# Allegro board parallella_layout.brd (continued)
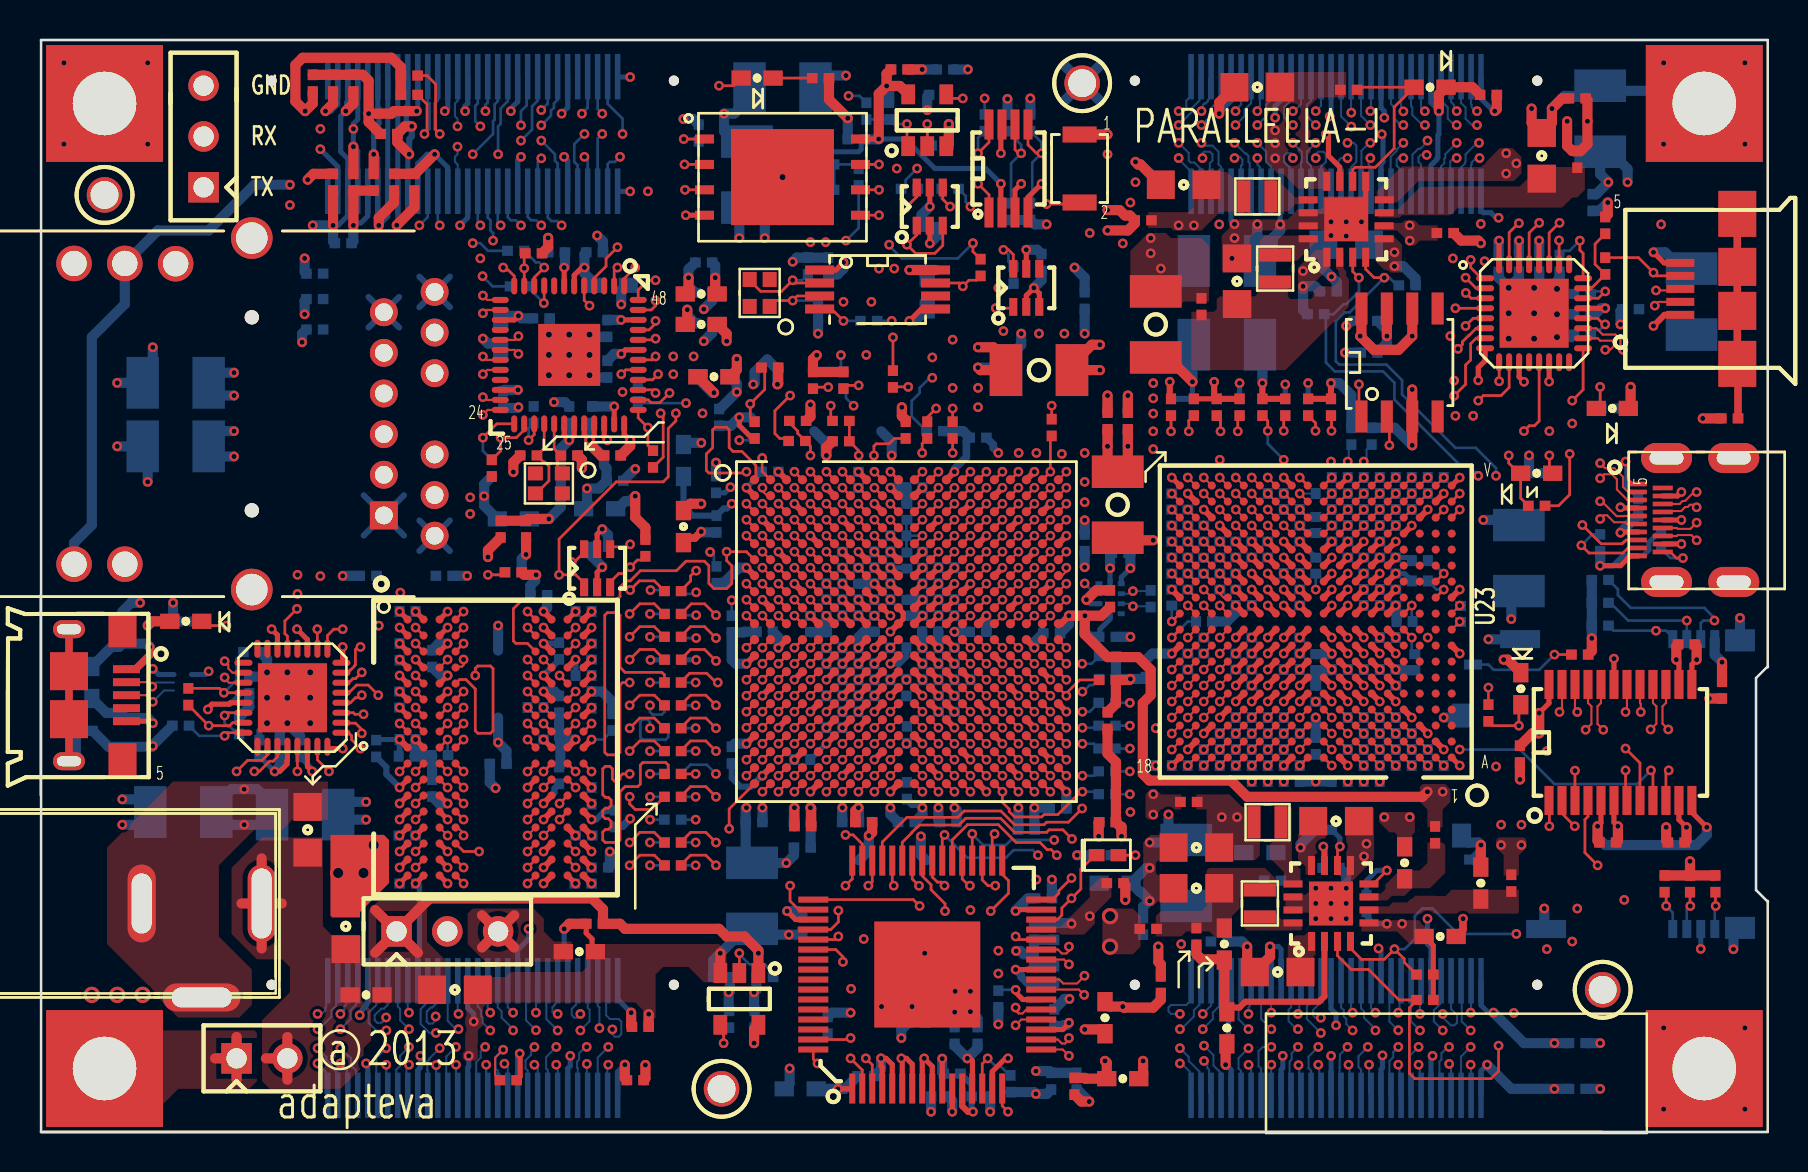
[diagram p0: board, top side]
## Routing (per net, layer and track width the routed paths; a pad name or vN(x,y) marks a point on that pad's centre or on a via; arc(x,y) is an arc through that point) (continued)
QSPI_CLK: length 27.3
  TOP w0.133: 41.04,47.12 v1(41.96,47.12) ; R47.1 35.52,35.74 v1(35.52,36.41) 36.25,37.13 36.25,38.06 R46.1 ; U2.A5 v1(38.53,33.02)
  L3_SIG w0.108: v1(35.52,36.41) 36.25,35.69 36.76,35.69 38.03,34.42 38.03,33.78 38.53,33.27 v1(38.53,33.02)
  L8_SIG w0.108: v1(41.96,47.12) 40.06,47.12 38.09,45.15 38.09,39.94 37.65,39.5 37.65,37.4 38.09,36.96 38.09,35.13 38.93,34.29 38.93,33.42 v1(38.53,33.02)
QSPI_CS_L: length 29.9
  TOP w0.133: U7.1 v1(32.2,49.66) ; U2.A7 v1(40.13,33.02)
  L3_SIG w0.108: v1(32.2,49.66) 32.69,49.66 32.95,49.4 32.95,45.34 33.17,45.11 33.9,45.11 34.01,45.22 34.01,47.14 34.12,47.24 34.55,47.24 34.66,47.14 34.66,45.22 34.77,45.11 38.69,45.11 v1(39.3,44.5)
  L8_SIG w0.108: v1(40.13,33.02) 40.13,34.75 40.19,34.8 40.19,36.32 39.93,36.58 39.93,37.9 39.3,38.53 39.3,39.75 39.31,39.76 39.31,40.09 39.3,40.11 v1(39.3,44.5)
  BOTTOM w0.133: R28.2 32.83,49.66 v1(32.2,49.66)
QSPI_IO_0: length 32.6
  TOP w0.133: R48.1 42.74,34.68 42.47,34.42 41.82,34.42 41.71,34.3 v1(41.71,33.83) ; U7.5 v1(41.96,45.85) ; U2.B8 v1(40.93,32.22)
  L8_SIG w0.108: v1(41.71,33.83) 41.71,34.16 41.46,34.42 41.46,37.72 40.82,38.35 40.82,39.87 41.08,40.13 41.08,43.56 41.2,43.68 41.2,45.09 41.33,45.21 48.06,45.21 48.19,45.34 48.19,46.74 48.06,46.86 43.36,46.86 42.34,45.85 v1(41.96,45.85)
  L10_SIG w0.108: v1(40.93,32.22) 41.33,32.62 41.33,33.45 v1(41.71,33.83)
QSPI_IO_1: length 38.1
  TOP w0.133: U7.2 v1(32.23,48.39) ; U2.D6 v1(39.33,30.62) ; R51.2 38.74,37.25 v1(39.42,37.25)
  L3_SIG w0.108: v1(39.33,30.62) 38.93,31.02 38.93,32.38 39.17,32.62 39.61,32.62 39.74,32.74 39.74,34.23 39.04,34.92 39.04,36.87 v1(39.42,37.25)
  L8_SIG w0.108: v1(31.68,38.79) 31.68,39.29 31.42,39.55 31.42,48.64 31.68,48.9 36.25,48.9 36.38,48.77 36.38,48.51 36.25,48.39 v1(32.23,48.39)
  L10_SIG w0.108: v1(39.42,37.25) 38.17,37.25 37.26,38.15 32.31,38.15 v1(31.68,38.79)
QSPI_IO_2: length 35.2
  TOP w0.133: v1(40.95,37.34) 40.35,37.34 R50.2 ; 33.24,47.12 v1(32.26,47.12) ; U2.B7 v1(40.13,32.22)
  L3_SIG w0.108: v1(40.13,32.22) 40.33,32.41 40.33,32.47 40.54,32.68 40.54,34.45 40.19,34.8 40.19,36.58 v1(40.95,37.34)
  L8_SIG w0.108: v1(32.26,47.12) 32.39,47.24 35.49,47.24 35.61,47.12 35.61,46.74 35.49,46.61 32.18,46.61 31.9,46.33 31.9,45.11 32.18,44.83 33.2,44.83 33.33,44.7 33.33,44.32 33.2,44.2 32.16,44.2 31.9,43.94 31.9,39.83 32.37,39.36 32.37,39.1 v1(32.69,38.79)
  L10_SIG w0.108: v1(32.69,38.79) 33.01,39.1 35.11,39.1 35.74,38.47 37.54,38.47 38.29,37.72 40.57,37.72 v1(40.95,37.34)
QSPI_IO_3: length 33.6
  TOP w0.133: U7.7 v1(41.96,48.39) ; U2.A6 v1(39.33,33.02)
  L3_SIG w0.108: v1(39.33,33.02) 39.33,33.16 38.94,33.56 38.94,34.4 36.38,36.96 36.38,38.62 36.12,38.88 35.72,38.88 35.61,38.98 35.61,39.42 35.72,39.52 37.65,39.52 37.77,39.65 37.77,40.51 37.65,40.64 34.09,40.64 33.96,40.77 33.96,41.91 34.09,42.04 38.03,42.04 38.41,42.42 38.41,42.91 39.69,44.2 39.69,44.96 41.52,46.79 41.52,47.95 v1(41.96,48.39)
  BOTTOM w0.133: R76.2 R52.2 40.73,48.39 R97.1 41.16,48.39 v1(41.96,48.39)
REG_EN1: length 115.7
  TOP w0.133: v1(72.95,4.32) 72.95,3.05 72.57,2.67 68.76,2.67 68.49,2.94 68.49,6.21 68.85,6.57 R276.1 67.97,6.6 66.45,8.13 65.59,8.13 64.89,8.82 U29.3
  L5_SIG w0.108: v1(72.95,4.32) 73.21,4.57 73.21,6.35 73.08,6.48 73.08,8.89 72.57,9.4 72.57,15.75 73.15,16.33 73.15,17.96 73.33,18.14 73.33,19.68 72.95,20.07 72.95,22.61 72.7,22.86 72.7,24 72.95,24.26 72.95,29.21 74.98,31.24 74.98,34.16 75.36,34.54 75.75,34.54 76.13,34.92 76.76,34.92 77.14,35.31 77.14,37.21 76.51,37.85 76.51,42.87 76.07,43.31 74.35,43.31 73.46,44.2 73.46,45.85 73.08,46.23 63.68,46.23 63.17,46.74 57.58,46.74 55.93,48.39 55.93,48.64 55.17,49.4 50.98,49.4 50.35,50.04 46.28,50.04 46.15,49.91 45.27,49.91 44.88,50.29 44.88,51.31 44.63,51.56 42.98,51.56 42.85,51.44 41.2,51.44 40.95,51.18 39.93,51.18 39.28,50.53 33.09,50.53 32.56,51.06 31.93,51.06 31.8,50.93 28.76,50.93 28.12,50.29 v1(28.12,49.91)
  BOTTOM w0.133: v1(28.12,49.91) 27.89,49.68 J13.5
REG_EN2: length 98
  TOP w0.133: v1(65.01,14.27) 64.89,14.16 U29.10
  L5_SIG w0.108: v1(28.12,50.93) 28.5,51.31 32.18,51.31 32.31,51.44 34.47,51.44 35.36,52.32 41.07,52.32 41.58,51.82 42.73,51.82 42.85,51.94 44.76,51.94 46.28,50.42 50.73,50.42 50.85,50.29 54.92,50.29 56.31,48.9 56.31,48.51 57.71,47.12 63.3,47.12 63.81,46.61 73.59,46.61 74.48,45.72 74.48,44.32 75.11,43.69 76.25,43.69 77.52,42.42 77.52,35.05 77.02,34.54 76.38,34.54 76,34.16 76,31.11 74.35,29.46 74.35,25.4 73.97,25.02 73.97,22.73 73.33,22.1 73.33,20.19 73.71,19.81 73.71,18.01 73.43,17.73 73.43,15.72 v1(73.08,15.37)
  L10_SIG w0.108: v1(73.08,15.37) 71.68,15.37 70.03,13.72 67.11,13.72 66.73,13.34 65.95,13.34 v1(65.01,14.27)
  BOTTOM w0.133: J13.6 27.89,51.15 v1(28.12,50.93)
  BOTTOM w0.254: R277.1 65.01,14.71 v1(65.01,14.27)
REG_EN3: length 113.7
  TOP w0.133: R280.1 68.23,8.49 68.23,8.66 v1(67.74,9.14) 67.24,8.64 66.09,8.64 65.54,9.18 U29.4
  L5_SIG w0.108: v1(73.84,9.91) 73.84,11.94 75.94,14.04 75.94,18.12 76.49,18.67 76.49,21.35 75.24,22.61 75.24,24.38 76.13,25.27 76.13,30.23 77.52,31.62 77.52,33.78 79.05,35.31 79.05,37.59 79.94,38.48 79.94,42.42 77.14,45.21 77.14,47.24 70.79,53.59 28.76,53.59 26.6,51.44 26.6,49.78 27.23,49.15 v1(27.23,48.77)
  BOTTOM w0.133: v1(73.84,9.91) 70.92,9.91 69.65,11.18 69.14,11.18 68.76,10.79 68.76,9.65 68.25,9.14 v1(67.74,9.14) ; J13.7 27.39,48.61 v1(27.23,48.77)
REG_EN4: length 103.8
  TOP w0.133: v1(67.36,13.08) 66.69,12.41 U29.8
  L5_SIG w0.108: v1(27.1,50.93) 27.87,51.69 30.91,51.69 31.04,51.56 32.06,51.56 32.31,51.82 34.34,51.82 35.76,53.23 40.8,53.23 41.07,52.96 43.23,52.96 43.74,52.45 44.76,52.45 46.41,50.8 50.85,50.8 50.98,50.67 55.17,50.67 56.06,51.56 60,51.56 60.38,51.18 60.38,48.39 61.27,47.5 63.55,47.5 64.06,46.99 74.22,46.99 75.49,45.72 75.49,44.32 75.75,44.07 77.16,44.07 79.57,41.66 79.57,38.62 78.67,37.72 78.67,35.43 77.14,33.91 77.14,31.75 75.49,30.1 75.49,25.27 74.86,24.64 74.86,22.23 75.6,21.48 75.6,19.7 75.87,19.43 75.87,18.8 75.49,18.41 75.36,18.41 74.73,17.78 74.73,16 v1(74.09,15.37)
  L10_SIG w0.108: v1(67.36,13.08) 70.16,13.08 71.94,14.86 73.59,14.86 v1(74.09,15.37)
  BOTTOM w0.133: v1(27.1,50.93) 27.39,51.22 J13.8
  BOTTOM w0.254: v1(67.36,13.08) 66.86,13.08 66.35,12.57 R283.1
RESET_N: length 25
  L3_SIG w0.108: v1(40.44,51.82) 39.17,51.82 38.15,52.83 33.71,52.83 32.44,51.56 30.79,51.56 30.28,52.07 22.41,52.07 21.77,51.44 21.77,50.55 v1(22.02,50.29)
  BOTTOM w0.133: J13.30 21.89,51.44 21.77,51.31 21.77,50.55 v1(22.02,50.29) ; v1(40.44,51.82) 40.99,51.82 R98.2
RXI_CCLK_N: length 26.4
  TOP w0.102: v1(48.94,27.42) U2.H17 ; U23.K1 v1(71.01,26.33)
  L8_SIG w0.095: v1(71.01,26.33) 69.51,26.33 69.01,25.83 57.33,25.83 56.82,26.34 56.57,26.34 55.16,27.75 53,27.75 52.78,27.97 52.78,28.43 52.57,28.64 51.5,28.64 51.5,28.63 49.59,28.63 49.34,28.38 49.34,28.01 49.16,27.83 48.71,27.83 48.57,27.69 48.57,27.49 48.64,27.42 v1(48.94,27.42)
RXI_CCLK_P: length 26.1
  TOP w0.102: v1(71.01,25.53) 70.61,25.13 U23.J1 ; v1(48.14,27.42) U2.H16
  L8_SIG w0.095: v1(71.01,25.53) 70.51,26.02 69.64,26.02 69.14,25.53 57.2,25.53 56.7,26.04 56.44,26.04 55.03,27.44 52.88,27.44 52.49,27.82 52.09,27.82 52.08,27.81 49.57,27.81 49.33,27.56 49.33,27.18 49.33,27.18 49.16,27.01 48.54,27.01 v1(48.14,27.42)
RXI_EA_DATA0_N: length 8.3
  TOP w0.102: U2.A20 v1(51.34,33.02) ; U23.T18 v1(56.61,31.13)
  L3_SIG w0.095: v1(56.61,31.13) 56.91,31.13 57.03,31.25 57.03,31.42 56.91,31.54 56.4,31.54 56.24,31.7 53.77,31.7 52.21,33.26 51.58,33.26 v1(51.34,33.02)
RXI_EA_DATA0_P: length 8.8
  TOP w0.102: U2.B19 v1(50.54,32.22) ; U23.U18 v1(56.61,31.93)
  L3_SIG w0.095: v1(56.61,31.93) 56.53,32 53.9,32 52.34,33.57 51.33,33.57 50.94,33.18 50.94,32.63 v1(50.54,32.22)
RXI_EA_DATA1_N: length 10.5
  TOP w0.102: U23.R17 v1(57.41,30.33) ; U2.B20 v1(51.34,32.22)
  L5_SIG w0.095: v1(57.41,30.33) 57.02,29.94 56.32,29.94 56.09,30.18 55.68,30.18 55.3,30.56 53.9,30.56 53.24,29.9 51.87,29.9 51.55,30.21 51.17,30.21 50.94,30.44 50.94,31.71 51.23,32 51.23,32.12 v1(51.34,32.22)
RXI_EA_DATA1_P: length 10.2
  TOP w0.102: U23.T17 v1(57.41,31.13) ; U2.C20 v1(51.34,31.42)
  L5_SIG w0.095: v1(57.41,31.13) 57.46,31.08 57.46,30.86 57.33,30.74 56.26,30.74 56.01,30.48 55.81,30.48 55.43,30.86 53.77,30.86 53.11,30.2 52,30.2 51.77,30.43 51.77,31.65 51.87,31.75 51.87,31.88 51.81,31.94 51.63,31.94 51.34,31.65 v1(51.34,31.42)
RXI_EA_DATA2_N: length 9
  TOP w0.102: U23.P16 v1(58.21,29.53) ; U2.D20 v1(51.34,30.62)
  L10_SIG w0.095: v1(51.34,30.62) 51.67,30.62 52.09,30.2 52.43,30.2 52.78,30.56 55.69,30.56 55.82,30.43 55.98,30.43 56.06,30.35 56.06,30.1 56.24,29.92 58.03,29.92 58.21,29.74 v1(58.21,29.53)
RXI_EA_DATA2_P: length 9.3
  TOP w0.102: U2.D19 v1(50.54,30.62) ; U23.R16 v1(58.21,30.33)
  L10_SIG w0.095: v1(58.21,30.33) 57.99,30.33 57.58,30.73 55.95,30.73 55.82,30.86 52.76,30.86 52.59,31.03 50.95,31.03 v1(50.54,30.62)
RXI_EA_DATA3_N: length 11.8
  TOP w0.102: U2.E19 v1(50.54,29.82) ; U23.N15 v1(59.01,28.73)
  L8_SIG w0.095: v1(50.54,29.82) 50.93,29.43 51.5,29.43 51.72,29.65 53.65,29.65 54.85,28.45 55.49,28.45 55.84,28.8 56.09,28.8 56.19,28.7 56.19,28.5 56.37,28.32 59.24,28.32 59.38,28.47 59.38,28.6 59.25,28.73 v1(59.01,28.73)
RXI_EA_DATA3_P: length 11.5
  TOP w0.102: U2.E18 v1(49.74,29.82) ; U23.P15 v1(59.01,29.53)
  L8_SIG w0.095: v1(49.74,29.82) 50.14,30.22 51.54,30.22 51.81,29.96 53.77,29.96 54.98,28.75 55.36,28.75 55.72,29.12 58.6,29.12 v1(59.01,29.53)
RXI_EA_DATA4_N: length 10
  TOP w0.102: U23.P18 v1(56.61,29.53) ; U2.D18 v1(49.74,30.62)
  L3_SIG w0.095: v1(49.74,30.62) 49.68,30.57 49.68,30.35 49.83,30.2 50.37,30.2 50.37,30.21 51.5,30.21 51.5,30.2 52.48,30.2 52.98,30.71 55.51,30.71 56.19,30.02 56.36,30.02 56.44,29.94 56.88,29.94 57,29.82 57,29.65 56.88,29.53 v1(56.61,29.53)
RXI_EA_DATA4_P: length 9.9
  TOP w0.102: U2.E17 v1(48.94,29.82) ; U23.R18 v1(56.61,30.33)
  L3_SIG w0.095: v1(56.61,30.33) 56.31,30.33 55.63,31.01 49.57,31.01 49.33,30.76 49.33,30.21 v1(48.94,29.82)
RXI_EA_DATA5_N: length 8.6
  TOP w0.102: U23.N17 v1(57.41,28.73) ; U2.F20 v1(51.34,29.02)
  L5_SIG w0.095: v1(51.34,29.02) 51.34,28.73 51.44,28.63 51.67,28.63 51.87,28.83 54.54,28.83 54.94,28.42 55.42,28.42 55.83,28.83 56.01,28.83 56.16,28.68 56.16,28.52 56.34,28.34 57.3,28.34 57.41,28.44 v1(57.41,28.73)
RXI_EA_DATA5_P: length 8.8
  TOP w0.102: U23.P17 v1(57.41,29.53) ; U2.F19 v1(50.54,29.02)
  L5_SIG w0.095: v1(50.54,29.02) 50.94,29.42 51.55,29.42 51.84,29.13 54.66,29.13 55.07,28.73 55.3,28.73 55.7,29.13 56.37,29.13 56.39,29.12 57,29.12 v1(57.41,29.53)
RXI_EA_DATA6_N: length 12.9
  TOP w0.102: U2.G18 v1(49.74,28.22) ; U23.M16 v1(58.21,27.93)
  L10_SIG w0.095: v1(58.21,27.93) 58.21,27.8 58.32,27.69 58.55,27.69 58.62,27.75 58.62,28.2 58.48,28.34 56.32,28.34 56.16,28.5 56.16,28.7 56.05,28.81 55.92,28.81 55.55,28.45 54.92,28.45 54.79,28.57 54.71,28.57 54.7,28.58 54.51,28.58 53.59,29.51 51.82,29.51 51.74,29.43 50.39,29.43 50.14,29.18 50.14,28.66 49.95,28.46 49.95,28.43 v1(49.74,28.22)
RXI_EA_DATA6_P: length 12.9
  TOP w0.102: U2.G17 v1(48.94,28.22) ; U23.N16 v1(58.21,28.73)
  L10_SIG w0.095: v1(58.21,28.73) 57.82,29.12 55.79,29.12 55.43,28.75 55.04,28.75 53.98,29.81 51.96,29.81 51.57,30.21 49.57,30.21 49.34,29.98 49.34,28.63 v1(48.94,28.22)
RXI_EA_DATA7_N: length 11.7
  TOP w0.102: v1(51.34,28.22) 51.34,28.04 51.11,27.82 U2.G20 ; v1(59.01,27.13) 59.01,26.92 59.2,26.73 U23.L15
  L3_SIG w0.095: v1(59.01,27.13) 59.01,27.43 58.92,27.52 56.38,27.52 56.19,27.33 56.19,27.1 56.13,27.04 55.81,27.04 55.62,27.24 55.62,27.37 55.68,27.43 55.81,27.43 55.93,27.56 55.93,27.69 55.81,27.81 55.55,27.81 55.43,27.69 55.17,27.69 55.11,27.75 53.13,27.75 52.76,28.12 52.76,28.45 52.5,28.7 52.12,28.7 51.64,28.22 v1(51.34,28.22)
RXI_EA_DATA7_P: length 11.9
  TOP w0.102: U23.M15 v1(59.01,27.93) ; U2.G19 v1(50.54,28.22)
  L3_SIG w0.095: v1(50.54,28.22) 50.93,27.82 52.62,27.82 53,27.44 54.98,27.44 55.69,26.74 59.28,26.74 59.42,26.88 59.42,27.52 v1(59.01,27.93)
RXI_EA_FRAME_N: length 13.5
  TOP w0.102: U2.G15 v1(47.34,28.22) ; U23.L17 v1(57.41,27.13)
  L5_SIG w0.095: v1(57.41,27.13) 57.02,26.74 55.55,26.74 55.17,27.12 55.17,27.25 54.98,27.44 54.28,27.44 53.87,27.03 47.17,27.03 46.94,27.26 46.94,27.83 v1(47.34,28.22)
RXI_EA_FRAME_P: length 13.1
  TOP w0.102: U23.M17 v1(57.41,27.93) ; U2.H15 v1(47.34,27.42)
  L5_SIG w0.095: v1(57.41,27.93) 57.46,27.88 57.46,27.69 57.31,27.54 56.43,27.54 56.19,27.29 56.19,27.18 56.05,27.04 55.68,27.04 55.48,27.25 55.48,27.38 55.11,27.75 54.16,27.75 53.74,27.33 52.86,27.33 52.76,27.43 52.76,27.57 52.5,27.82 47.37,27.82 47.26,27.72 47.26,27.49 v1(47.34,27.42)
RXI_EA_LCLK_N: length 10.4
  TOP w0.102: U2.F17 v1(48.94,29.02) ; U23.M18 v1(56.61,27.93)
  L3_SIG w0.095: v1(48.94,29.02) 48.92,29.02 48.8,28.89 48.8,28.74 48.92,28.61 51.5,28.61 51.72,28.83 51.72,28.85 51.73,28.86 51.73,29.02 52.12,29.41 53.95,29.41 55.19,28.18 56.36,28.18 v1(56.61,27.93)
RXI_EA_LCLK_P: length 10.5
  TOP w0.102: U2.F16 v1(48.14,29.02) ; U23.N18 v1(56.61,28.73)
  L3_SIG w0.095: v1(56.61,28.73) 56.36,28.48 55.32,28.48 54.08,29.72 52,29.72 51.71,29.43 48.54,29.43 v1(48.14,29.02)
RXI_NO_DATA0_N: length 23.5
  TOP w0.102: U23.A2 v1(70.21,18.33)
  L3_SIG w0.095: v1(71.55,3.37) 72.15,3.96 72.15,4.16 72.25,4.26 72.25,6.59 72.34,6.68 73.44,6.68 73.71,6.96 73.71,7.59 73.44,7.86 72.12,7.86 71.99,8 71.99,8.26 72.19,8.46 73.08,8.46 73.38,8.76 73.38,9.65 73.04,10 72.34,10 72.25,10.09 72.25,11.22 71.22,12.24 71.22,17.35 70.83,17.75 70.12,17.75 69.96,17.91 69.96,18.09 70.2,18.33 v1(70.21,18.33)
  BOTTOM w0.102: v1(71.55,3.37) 71.57,3.35 J8.3
RXI_NO_DATA0_P: length 23.8
  TOP w0.102: U23.A3 v1(69.41,18.33)
  L3_SIG w0.095: v1(71.55,4.25) 71.82,4.25 71.94,4.38 71.94,6.71 72.22,6.99 73.31,6.99 73.41,7.08 73.41,7.46 73.31,7.56 72,7.56 71.68,7.87 71.68,8.38 72.06,8.76 72.95,8.76 73.08,8.89 73.08,9.53 72.91,9.69 72.22,9.69 71.94,9.97 71.94,11.09 70.92,12.12 70.92,17.22 70.7,17.44 70,17.44 69.66,17.78 69.66,18.13 69.46,18.33 v1(69.41,18.33)
  BOTTOM w0.102: J8.5 71.07,3.77 v1(71.55,4.25)
RXI_NO_DATA1_N: length 24.2
  TOP w0.102: U23.B3 v1(69.41,19.13)
  L5_SIG w0.095: v1(71.55,5.97) 71.55,5.71 71.33,5.49 71.07,5.49 70.97,5.59 70.97,6.48 71.05,6.55 72.32,6.55 72.62,6.86 72.62,8.44 72.32,8.75 71.38,8.75 71.29,8.84 71.29,9.19 70.53,9.96 70.53,11 70.62,11.09 71.01,11.09 71.29,11.37 71.29,12 71.01,12.27 70.79,12.27 70.67,12.4 70.67,12.7 70.77,12.81 71.02,12.81 71.3,13.08 71.3,16 70.74,16.56 69.3,16.56 69,16.86 69,17.23 69.3,17.53 69.3,17.75 69.4,17.84 69.65,17.84 69.82,18.01 69.82,19.41 69.69,19.54 69.51,19.54 69.41,19.44 v1(69.41,19.13)
  BOTTOM w0.102: J8.4 71.57,5.99 v1(71.55,5.97)
RXI_NO_DATA1_P: length 24.3
  TOP w0.102: U23.B4 v1(68.61,19.13)
  L5_SIG w0.095: v1(71.55,5.08) 71.05,5.08 70.67,5.46 70.67,6.6 70.92,6.86 72.19,6.86 72.32,6.99 72.32,8.32 72.19,8.44 71.26,8.44 70.98,8.72 70.98,9.07 70.22,9.83 70.22,11.12 70.49,11.4 70.89,11.4 70.98,11.49 70.98,11.87 70.89,11.97 70.67,11.97 70.36,12.27 70.36,12.83 70.65,13.11 70.9,13.11 70.99,13.21 70.99,15.88 70.61,16.26 69.01,16.26 68.76,16.51 68.76,17.41 69,17.65 69,18.74 v1(68.61,19.13)
  BOTTOM w0.102: J8.6 71.11,7.53 71.11,5.52 v1(71.55,5.08)
RXI_NO_DATA2_N: length 23.2
  TOP w0.102: U23.C4 v1(68.61,19.93)
  L8_SIG w0.095: v1(70.48,3.4) 70.89,3.81 70.89,4.4 70.64,4.65 70.31,4.65 70.23,4.56 69.94,4.56 69.72,4.78 69.72,7.64 69.81,7.74 70.65,7.74 70.92,8.01 70.92,8.64 70.65,8.92 69.81,8.92 69.72,9.01 69.72,9.91 70.18,10.37 70.18,12.83 67.99,15.02 67.99,17.95 68.2,18.16 68.2,19.52 v1(68.61,19.93)
  BOTTOM w0.102: v1(70.48,3.4) 70.57,3.31 J8.7
RXI_NO_DATA2_P: length 23.1
  TOP w0.102: U23.C5 v1(67.81,19.93)
  L8_SIG w0.095: v1(70.47,4.25) 69.81,4.25 69.41,4.66 69.41,7.77 69.68,8.04 70.52,8.04 70.61,8.14 70.61,8.52 70.52,8.61 69.68,8.61 69.41,8.89 69.41,10.03 69.88,10.5 69.88,12.7 67.68,14.9 67.68,17.82 67.4,18.1 67.4,19.52 v1(67.81,19.93)
  BOTTOM w0.102: J8.9 69.99,1.92 69.99,3.52 70.09,3.63 70.09,3.94 70.41,4.25 v1(70.47,4.25)
RXI_NO_DATA3_N: length 24.3
  TOP w0.102: U23.D5 v1(67.81,20.73)
  L8_SIG w0.095: v1(70.16,5.91) 70.06,5.91 69.93,5.78 69.93,5.61 70.06,5.49 70.41,5.49 70.77,5.84 70.77,6.35 71.68,7.26 71.68,10.97 70.97,11.68 70.97,17.17 70.67,17.48 69.9,17.48 69.6,17.78 69.42,17.78 69.37,17.83 69.13,17.83 69,17.96 69,20.18 68.86,20.32 67.51,20.32 67.39,20.44 67.39,20.61 67.51,20.73 v1(67.81,20.73)
  BOTTOM w0.102: v1(70.16,5.91) 70.16,5.74 70.56,5.33 70.74,5.33 70.87,5.46 70.87,5.85 70.57,6.15 J8.8
RXI_NO_DATA3_P: length 24.1
  TOP w0.102: U23.D6 v1(67.01,20.73)
  L8_SIG w0.095: v1(67.01,20.73) 67.4,21.12 68.83,21.12 69.8,20.15 69.8,18.01 70.03,17.78 70.79,17.78 71.27,17.3 71.27,11.81 71.99,11.1 71.99,7.14 71.07,6.22 71.07,5.72 70.51,5.16 70.23,5.16 v1(70.16,5.08)
  BOTTOM w0.102: J8.10 70.03,7.52 70.03,6.41 69.71,6.09 69.71,5.52 v1(70.16,5.08)
RXI_NO_DATA4_N: length 23
  TOP w0.102: U23.A4 v1(68.61,18.33)
  L3_SIG w0.095: v1(68.95,3.37) 68.95,3.7 69.34,4.09 69.34,4.14 69.72,4.51 69.72,6.28 68.76,7.24 68.76,8.29 68.86,8.39 71.03,8.39 71.3,8.66 71.3,9.68 71.03,9.95 69.01,9.95 68.89,10.08 68.89,11.05 68.76,11.18 68.76,13.59 68.89,13.72 68.89,14.48 68.05,15.32 68.05,16.38 68.36,16.69 68.36,18.09 68.6,18.33 v1(68.61,18.33)
  BOTTOM w0.102: v1(68.95,3.37) 69.01,3.3 69.01,1.89 J8.13
RXI_NO_DATA4_P: length 23.1
  TOP w0.102: U23.A5 v1(67.81,18.33)
  L3_SIG w0.095: v1(67.81,18.33) 68.06,18.08 68.06,16.82 67.74,16.51 67.74,15.19 68.58,14.35 68.58,13.84 68.46,13.72 68.46,11.05 68.58,10.92 68.58,9.95 68.89,9.65 70.9,9.65 71,9.55 71,8.79 70.9,8.69 68.73,8.69 68.46,8.42 68.46,7.11 69.41,6.16 69.41,4.64 69.05,4.28 68.97,4.28 v1(68.95,4.25)
  BOTTOM w0.102: v1(68.95,4.25) 68.51,3.81 68.51,1.9 J8.15
RXI_NO_DATA5_N: length 23.4
  TOP w0.102: U23.B5 v1(67.81,19.13)
  L5_SIG w0.095: v1(69.02,5.91) 68.96,5.84 68.75,5.84 68.63,5.96 68.63,6.22 68.93,6.52 68.93,7.85 69.02,7.95 70.01,7.95 70.28,8.22 70.28,8.86 70.01,9.13 69.02,9.13 68.93,9.23 68.93,11.05 68.62,11.35 68.12,11.35 68.05,11.43 68.05,11.81 68.12,11.89 68.63,11.89 68.93,12.18 68.93,12.86 68.65,13.14 68.25,13.14 68.13,13.26 68.13,13.58 68.25,13.71 68.89,13.71 69.19,14.01 69.19,14.57 68.85,14.91 68.38,14.91 68.04,15.24 68.04,16.89 67.7,17.23 67.7,17.74 67.87,17.91 68.13,17.91 68.22,18 68.22,19.41 68.09,19.54 67.85,19.54 67.74,19.43 67.74,19.19 v1(67.81,19.13)
  BOTTOM w0.102: J8.14 69.01,7.5 69.01,5.91 v1(69.02,5.91)
RXI_NO_DATA5_P: length 23.7
  TOP w0.102: U23.B6 v1(67.01,19.13)
  L5_SIG w0.095: v1(67.01,19.13) 67.4,18.74 67.4,17.1 67.74,16.76 67.74,15.12 68.25,14.61 68.73,14.61 68.89,14.44 68.89,14.14 68.76,14.01 68.13,14.01 67.82,13.71 67.82,13.14 68.13,12.83 68.53,12.83 68.62,12.74 68.62,12.31 68.51,12.19 68,12.19 67.74,11.94 67.74,11.3 68,11.05 68.5,11.05 68.62,10.92 68.62,9.1 68.9,8.83 69.88,8.83 69.98,8.73 69.98,8.35 69.88,8.26 68.9,8.26 68.62,7.98 68.62,6.64 68.33,6.35 68.33,5.77 68.68,5.41 68.69,5.41 v1(69.02,5.08)
  BOTTOM w0.102: J8.16 68.57,5.53 v1(69.02,5.08)
RXI_NO_DATA6_N: length 22.6
  TOP w0.102: U23.C6 v1(67.01,19.93)
  L8_SIG w0.095: v1(67.01,19.93) 66.6,19.52 66.6,17.17 66.25,16.82 66.25,15.59 68.63,13.21 68.63,11.18 68.89,10.92 68.89,8.61 68.5,8.22 67.53,8.22 67.44,8.13 67.44,7.75 67.53,7.65 68.36,7.65 68.63,7.38 68.63,4.49 68.56,4.42 68.56,3.99 v1(67.93,3.37)
  BOTTOM w0.102: J8.17 68,1.91 68,3.3 v1(67.93,3.37)
RXI_NO_DATA6_P: length 22.5
  TOP w0.102: U23.C7 v1(66.21,19.93)
  L8_SIG w0.095: v1(67.93,4.25) 68.33,4.65 68.33,7.25 68.23,7.35 67.41,7.35 67.13,7.62 67.13,8.25 67.41,8.53 68.37,8.53 68.58,8.74 68.58,10.8 68.33,11.05 68.33,13.08 65.94,15.47 65.94,16.83 65.81,16.96 65.81,19.3 66.07,19.56 66.07,19.79 v1(66.21,19.93)
  BOTTOM w0.102: v1(67.93,4.25) 67.68,4 67.68,3.74 67.49,3.55 67.49,1.92 J8.19
RXI_NO_DATA7_N: length 22.7
  TOP w0.102: U23.D7 v1(66.21,20.73)
  L8_SIG w0.095: v1(66.21,20.73) 66.25,20.73 66.37,20.85 66.37,21.01 66.25,21.13 65.92,21.13 65.8,21.01 65.8,19.76 65.57,19.54 65.2,19.54 65,19.33 65,17.96 64.87,17.83 64.63,17.83 64.52,17.72 64.52,15.97 65.76,14.73 65.76,13.44 66.56,12.64 66.56,9.98 66.28,9.71 65.65,9.71 65.56,9.61 65.56,8.85 65.65,8.75 66.28,8.75 66.56,8.48 66.56,7.28 67.49,6.35 67.49,5.87 67.57,5.79 67.81,5.79 67.93,5.92 v1(67.93,5.97)
  BOTTOM w0.102: v1(67.93,5.97) 68,6.03 68,7.49 J8.18
RXI_NO_DATA7_P: length 22.7
  TOP w0.102: U23.D8 v1(65.41,20.73)
  L8_SIG w0.095: v1(67.93,5.09) 67.84,5.09 67.18,5.74 67.18,6.23 66.25,7.16 66.25,8.35 66.16,8.45 65.53,8.45 65.25,8.72 65.25,9.74 65.53,10.01 66.16,10.01 66.25,10.11 66.25,12.52 65.46,13.31 65.46,14.61 64.22,15.85 64.22,19.29 64.46,19.54 64.77,19.54 65.02,19.78 65.02,20.34 v1(65.41,20.73)
  BOTTOM w0.102: J8.20 67.49,7.48 67.49,5.52 67.92,5.09 v1(67.93,5.09)
RXI_NO_FRAME_N: length 24.5
  TOP w0.102: U23.B7 v1(66.21,19.13)
  L5_SIG w0.095: v1(66.21,19.13) 66.27,19.13 66.62,18.78 66.62,17.92 66.22,17.53 v1(66.21,17.53) 65.95,17.27 65.84,17.27 65.71,17.15 65.71,16.31 67.22,14.8 67.22,13.64 66.96,13.37 66.96,9.75 66.54,9.33 66.54,8.27 66.22,7.95 66.22,7.67 66.35,7.54 66.78,7.54 66.98,7.75 66.98,8.38 67.24,8.64 67.87,8.64 68.13,8.38 68.13,6.86 67.74,6.48 66.63,6.48 66.34,6.19 66.34,5.59 66.47,5.46 66.62,5.46 66.63,5.47 67.24,5.47 67.36,5.6 67.36,5.84 67.24,5.97 v1(66.79,5.97)
  BOTTOM w0.102: v1(66.79,5.97) 66.57,6.19 J8.24
RXI_NO_FRAME_P: length 24.3
  TOP w0.102: U23.B8 v1(65.41,19.13)
  L5_SIG w0.095: v1(66.79,5.08) 66.55,5.08 66.47,5.16 66.34,5.16 66.04,5.46 66.04,6.32 66.5,6.78 67.62,6.78 67.82,6.98 67.82,8.26 67.74,8.33 67.36,8.33 67.29,8.26 67.29,7.62 66.91,7.24 66.22,7.24 65.91,7.54 65.91,8.08 66.23,8.39 66.23,9.46 66.65,9.88 66.65,13.5 66.92,13.77 66.92,14.67 65.41,16.18 v1(65.41,17.53) 65.8,17.92 65.8,18.71 65.41,19.1 v1(65.41,19.13)
  BOTTOM w0.102: J8.26 66.07,6.18 66.22,6.03 66.22,5.71 66.79,5.14 v1(66.79,5.08)
RXI_NO_LCLK_N: length 22.6
  TOP w0.102: U23.A6 v1(67.01,18.33)
  L3_SIG w0.095: v1(66.47,3.37) 67.23,3.37 67.54,3.67 67.54,6.35 67.16,6.73 67.16,7.37 67.54,7.74 67.54,8.39 67.24,8.69 66.22,8.69 66.09,8.81 66.09,10.16 66.22,10.29 66.6,10.29 66.91,10.59 66.91,12.17 66.6,12.47 66.24,12.47 66.14,12.57 66.14,12.95 66.24,13.04 66.73,13.04 67.03,13.35 67.03,13.59 67.11,13.66 67.24,13.66 67.54,13.97 67.54,14.73 67.24,15.04 66.85,15.04 66.76,15.13 66.76,15.49 66.46,15.8 66.35,15.8 66.27,15.87 66.27,16.94 66.6,17.27 66.6,17.92 v1(67.01,18.33)
  BOTTOM w0.102: J8.23 66.47,1.93 v1(66.47,3.37)
RXI_NO_LCLK_P: length 22.6
  TOP w0.102: U23.A7 v1(66.21,18.33)
  L3_SIG w0.095: v1(66.41,4.25) 67.11,4.25 67.23,4.38 67.23,6.22 66.86,6.6 66.86,7.49 67.23,7.87 67.23,8.26 67.11,8.38 66.09,8.38 65.79,8.69 65.79,10.29 66.09,10.59 66.47,10.59 66.6,10.72 66.6,12.04 66.47,12.17 66.11,12.17 65.84,12.44 65.84,13.08 66.11,13.35 66.6,13.35 66.73,13.48 66.73,13.72 66.98,13.97 67.11,13.97 67.24,14.1 67.24,14.61 67.11,14.73 66.73,14.73 66.46,15 66.46,15.37 66.33,15.49 66.22,15.49 65.97,15.75 65.97,17.12 65.82,17.27 65.82,17.94 v1(66.21,18.33)
  BOTTOM w0.102: J8.25 66.07,3.12 65.95,3.24 65.95,3.79 v1(66.41,4.25)
RXI_SO_DATA0_N: length 24.6
  TOP w0.102: U23.V3 v1(69.41,32.73)
  L3_SIG w0.095: v1(69.41,32.73) 69.42,32.72 69.42,32.49 69.55,32.36 69.7,32.36 69.82,32.49 69.82,32.56 69.82,32.57 69.82,32.89 69.9,32.98 69.9,34.11 70.18,34.38 71.38,34.38 71.48,34.48 71.48,34.86 71.38,34.95 70.18,34.95 69.9,35.23 69.9,39.02 69.66,39.27 69.66,40.13 69.85,40.33 69.85,45.24 72.52,47.9 72.52,48.95 72.39,49.07 72.13,49.07 72,48.95 v1(72,48.7)